# KiCad board panel_3_3.kicad_pcb (continued)
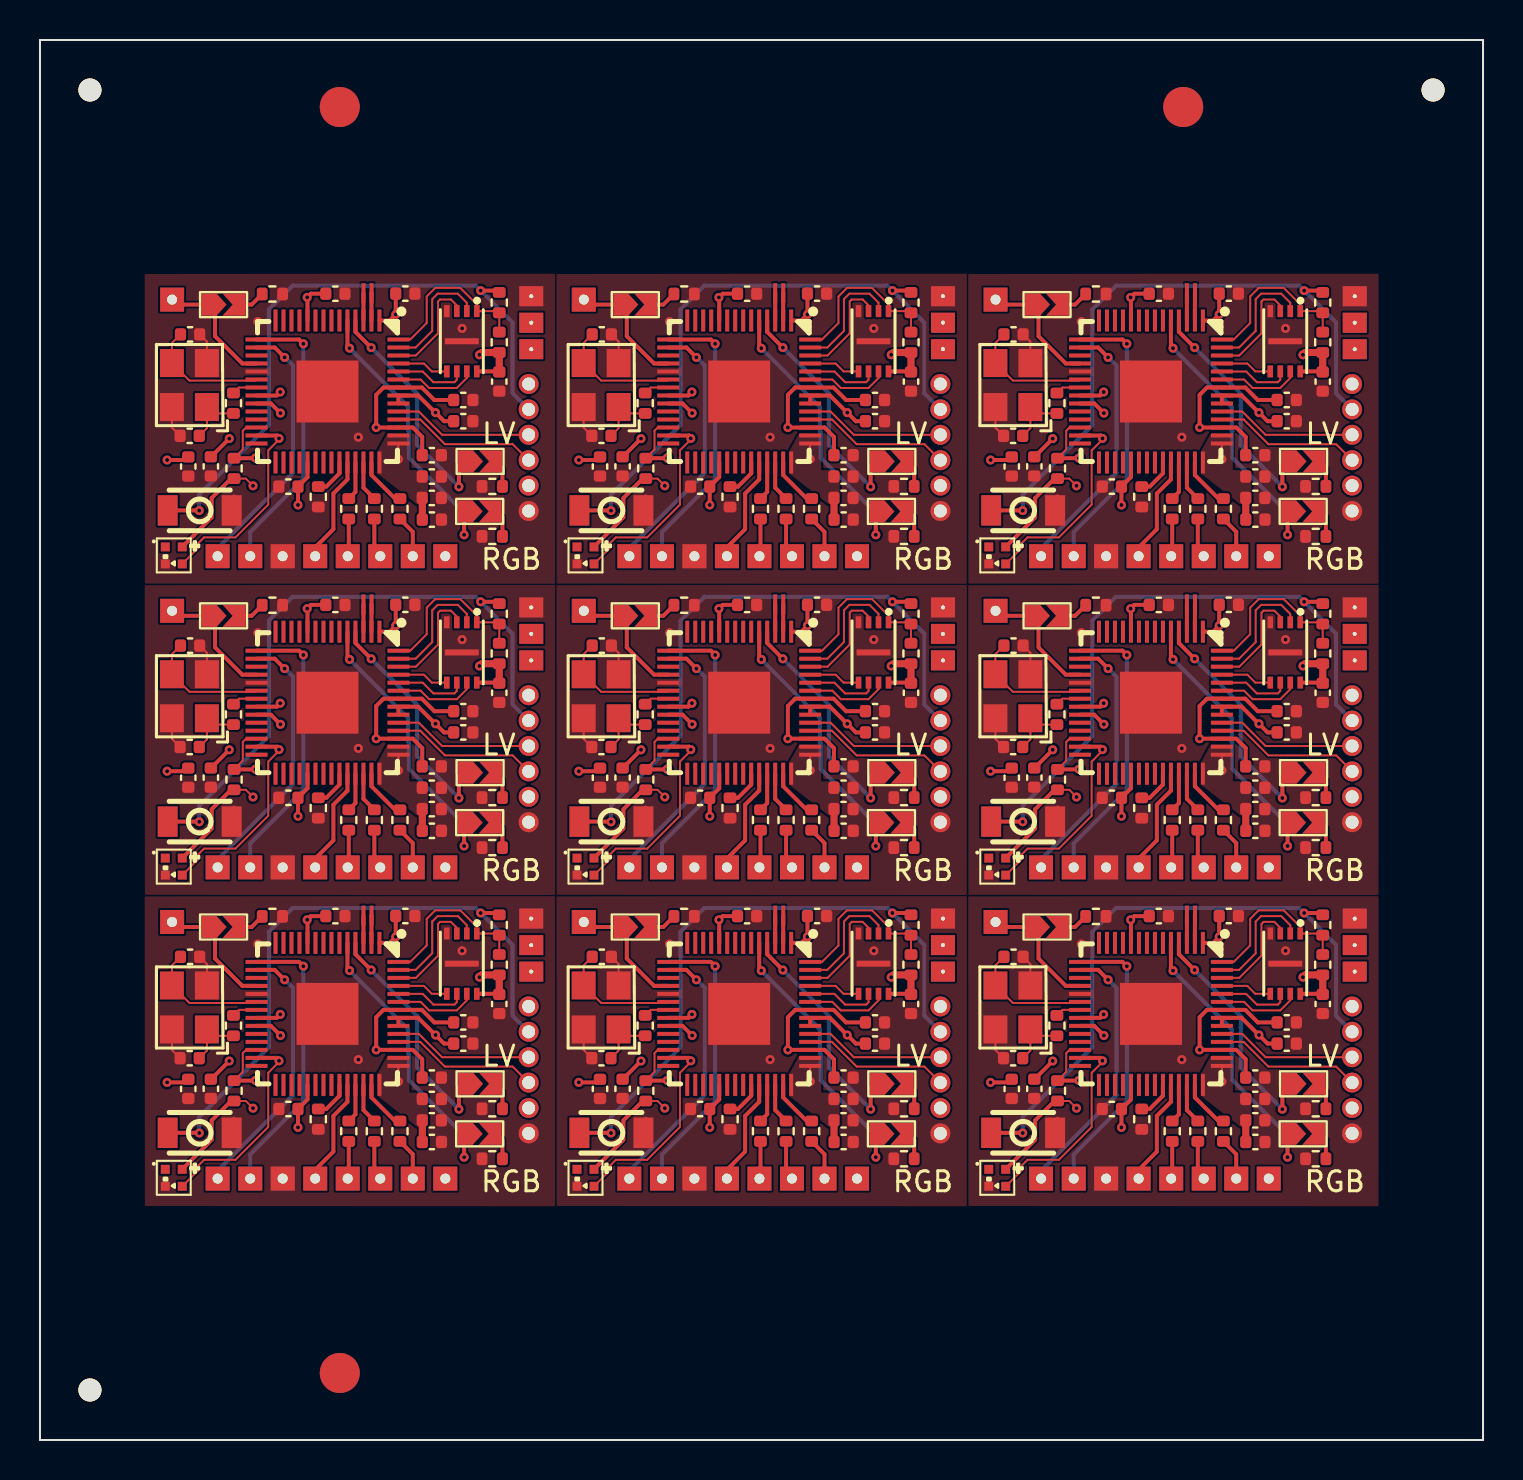
[diagram p0: board, top side]
## Nets (continued)
Board_7-LED_DATA: J13#2.1 U1#4.27 U5.4
Board_7-Net-(JP1-B): JP1.2 R12#2.1
Board_7-Net-(JP2-B): JP2.2 R4#3.1
Board_7-Net-(JP3-B): JP3#6.2 R7#2.1
Board_7-Net-(U1-GPIO27_ADC1): R9#6.1 U1#4.39
Board_7-Net-(U1-GPIO28_ADC2): R10.1 U1#4.40
Board_7-Net-(U1-GPIO29_ADC3): R11#8.1 U1#4.41
Board_7-Net-(X1-OSC1): C1#6.2 R1#7.1 X1.1
Board_7-NS_CLK: J3#3.1 R9#6.2
Board_7-NS_CMD: J4#6.1 R10.2
Board_7-NS_CPU: J1#3.1 JP1.1 U1#4.18
Board_7-NS_D0: J5#2.1 R11#8.2
Board_7-NS_RST: J2#2.1 U1#4.38
Board_7-NS_SCL: J7.1 U1#4.16
Board_7-NS_SDA: J6#4.1 U1#4.15
Board_7-QSPI_CS: R5.2 R6#8.2 U1#4.56 U2#5.1
Board_7-QSPI_SCK: U1#4.52 U2#5.6
Board_7-QSPI_SD0: U1#4.53 U2#5.5
Board_7-QSPI_SD1: U1#4.55 U2#5.2
Board_7-QSPI_SD2: U1#4.54 U2#5.3
Board_7-QSPI_SD3: U1#4.51 U2#5.7
Board_7-RST: J8#6.1 R2#6.2 U1#4.26
Board_7-SW_CPU_LOWV: JP2.1 U1#4.4
Board_7-SW_I2C_LEDS: JP3#6.1 U1#4.5
Board_7-unconnected-(U1-GPIO4-Pad6): U1#4.6
Board_7-unconnected-(U1-GPIO5-Pad7): U1#4.7
Board_7-unconnected-(U1-GPIO6-Pad8): U1#4.8
Board_7-unconnected-(U1-GPIO7-Pad9): U1#4.9
Board_7-unconnected-(U1-GPIO8-Pad11): U1#4.11
Board_7-unconnected-(U1-GPIO9-Pad12): U1#4.12
Board_7-unconnected-(U1-GPIO10-Pad13): U1#4.13
Board_7-unconnected-(U1-GPIO11-Pad14): U1#4.14
Board_7-unconnected-(U1-GPIO14-Pad17): U1#4.17
Board_7-unconnected-(U1-GPIO17-Pad28): U1#4.28
Board_7-unconnected-(U1-GPIO18-Pad29): U1#4.29
Board_7-unconnected-(U1-GPIO19-Pad30): U1#4.30
Board_7-unconnected-(U1-GPIO20-Pad31): U1#4.31
Board_7-unconnected-(U1-GPIO21-Pad32): U1#4.32
Board_7-unconnected-(U1-GPIO22-Pad34): U1#4.34
Board_7-unconnected-(U1-GPIO23-Pad35): U1#4.35
Board_7-unconnected-(U1-GPIO24-Pad36): U1#4.36
Board_7-unconnected-(U5-DOUT-Pad1): U5.1
Board_7-XIN: C3#8.1 U1#4.20 X1.3
Board_7-XOUT: R1#7.2 U1#4.21
Board_8-+1V1: C2#3.1 C4#4.1 C5#6.1 U1#6.23 U1#6.45 U1#6.50
Board_8-+3V3: C6#2.2 C7.1 C8#3.1 C9#4.1 C10.1 C11#7.1 C12#5.1 C13#9.1 C14#5.1 J8#5.5 J10#5.1 J11#5.1 R2#2.1 R6.1 U1#6.1 U1#6.10 U1#6.22 U1#6.33 U1#6.42 U1#6.43 U1#6.44 U1#6.48 U1#6.49 U2#2.8 U5#6.2
Board_8-BOARD_DET: R3#6.1 U1#6.37
Board_8-BOOT: J8#5.2 R5#5.1 SW1#6.1
Board_8-D+: J8#5.3 U1#6.47
Board_8-D-: J8#5.4 U1#6.46
Board_8-DBG_CLK: U1#6.24
Board_8-DBG_DAT: U1#6.25
Board_8-FLY_IO0: J14#5.1 U1#6.2
Board_8-FLY_IO1: J15#5.1 U1#6.3
Board_8-GND: C1#3.1 C2#3.2 C3#9.2 C4#4.2 C5#6.2 C6#2.1 C7.2 C8#3.2 C9#4.2 C10.2 C11#7.2 C12#5.2 C13#9.2 C14#5.2 J8#5.6 J9#4.1 J12#7.1 R3#6.2 R4#4.2 R7#4.2 R12#5.2 SW1#6.2 U1#6.19 U1#6.57 U2#2.4 U2#2.9 U5#6.3 X1#5.2 X1#5.4
Board_8-LED_DATA: J13#9.1 U1#6.27 U5#6.4
Board_8-Net-(JP1-B): JP1#4.2 R12#5.1
Board_8-Net-(JP2-B): JP2#7.2 R4#4.1
Board_8-Net-(JP3-B): JP3#3.2 R7#4.1
Board_8-Net-(U1-GPIO27_ADC1): R9#5.1 U1#6.39
Board_8-Net-(U1-GPIO28_ADC2): R10#9.1 U1#6.40
Board_8-Net-(U1-GPIO29_ADC3): R11#9.1 U1#6.41
Board_8-Net-(X1-OSC1): C1#3.2 R1#3.1 X1#5.1
Board_8-NS_CLK: J3#2.1 R9#5.2
Board_8-NS_CMD: J4#2.1 R10#9.2
Board_8-NS_CPU: J1#4.1 JP1#4.1 U1#6.18
Board_8-NS_D0: J5#7.1 R11#9.2
Board_8-NS_RST: J2.1 U1#6.38
Board_8-NS_SCL: J7#4.1 U1#6.16
Board_8-NS_SDA: J6#6.1 U1#6.15
Board_8-QSPI_CS: R5#5.2 R6.2 U1#6.56 U2#2.1
Board_8-QSPI_SCK: U1#6.52 U2#2.6
Board_8-QSPI_SD0: U1#6.53 U2#2.5
Board_8-QSPI_SD1: U1#6.55 U2#2.2
Board_8-QSPI_SD2: U1#6.54 U2#2.3
Board_8-QSPI_SD3: U1#6.51 U2#2.7
Board_8-RST: J8#5.1 R2#2.2 U1#6.26
Board_8-SW_CPU_LOWV: JP2#7.1 U1#6.4
Board_8-SW_I2C_LEDS: JP3#3.1 U1#6.5
Board_8-unconnected-(U1-GPIO4-Pad6): U1#6.6
Board_8-unconnected-(U1-GPIO5-Pad7): U1#6.7
Board_8-unconnected-(U1-GPIO6-Pad8): U1#6.8
Board_8-unconnected-(U1-GPIO7-Pad9): U1#6.9
Board_8-unconnected-(U1-GPIO8-Pad11): U1#6.11
Board_8-unconnected-(U1-GPIO9-Pad12): U1#6.12
Board_8-unconnected-(U1-GPIO10-Pad13): U1#6.13
Board_8-unconnected-(U1-GPIO11-Pad14): U1#6.14
Board_8-unconnected-(U1-GPIO14-Pad17): U1#6.17
Board_8-unconnected-(U1-GPIO17-Pad28): U1#6.28
Board_8-unconnected-(U1-GPIO18-Pad29): U1#6.29
Board_8-unconnected-(U1-GPIO19-Pad30): U1#6.30
Board_8-unconnected-(U1-GPIO20-Pad31): U1#6.31
Board_8-unconnected-(U1-GPIO21-Pad32): U1#6.32
Board_8-unconnected-(U1-GPIO22-Pad34): U1#6.34
Board_8-unconnected-(U1-GPIO23-Pad35): U1#6.35
Board_8-unconnected-(U1-GPIO24-Pad36): U1#6.36
Board_8-unconnected-(U5-DOUT-Pad1): U5#6.1
Board_8-XIN: C3#9.1 U1#6.20 X1#5.3
Board_8-XOUT: R1#3.2 U1#6.21

## Via types
v1: diameter 0.45, hole 0.2, Top to Bottom, 225 vias

## Routing (per net, layer and track width the routed paths; a pad name or vN(x,y) marks a point on that pad's centre or on a via; arc(x,y) is an arc through that point)
Board_0-+1V1: length 20.2
  Top w0.2: C4#2.1 8.56,49.16 v1(9.47,50.07) ; C5.1 19.12,50.16 18.66,50.62 U1#2.45 v1(16.82,50.62) 16.82,52.26 17.19,52.62 U1#2.50 19.11,52.62 19.73,52 C2#4.1 ; v1(12.03,51.34) 11.55,51.83 U1#2.23
  In1.Cu w0.2: v1(12.03,51.34) 10.74,51.34 v1(9.47,50.07)
  In2.Cu w0.358: v1(12.03,51.34) 12.03,51.34 16.1,51.34 v1(16.82,50.62)
Board_0-+3V3: length 23.3
  Top w0.1: v1(17.94,49.04) U1#2.43 ; R2#8.1 10.3,48.07 v1(10.66,47.71)
  Top w0.2: U1#2.22 11.84,52.23 v1(12.02,52.4) ; 23.03,53.43 U2.8 ; 16.98,55.98 17.5,55.98 v1(17.8,56.28) C11#9.1 ; U1#2.48 U1#2.49 18.92,52.23 19.78,51.37 v1(19.79,51.37) 20.22,50.94 C10#4.1 ; v1(12.91,46.75) C7#7.1 13.38,48.15 U1#2.33 ; 7.12,44.66 7.12,44.66 8.59,46.13 8.59,47.1 9.56,48.07 R2#8.1 ; C12#2.1 13.55,57.31 v1(13.37,57.13) 13.38,57.12 13.38,55.98 ; v1(6.36,49) 7.27,49 7.42,49.16
  Top w0.358: C8#5.1 19.13,47.1 C9#2.1 ; v1(21.99,54.26) 22.1,54.38 R6#3.1 C14#3.1
Board_0-BOARD_DET: length 1.9
  Top w0.2: U1#2.37 14.98,48.33 14.32,47.67 R3#3.1
Board_0-BOOT: length 32.2
  Top w0.2: R5#8.1 22.89,57.47 v1(22.05,57.47) ; SW1#9.1 7.96,46.48 v1(7.97,46.47)
  Bottom w0.2: v1(7.97,46.47) 7.97,47.27 11.45,50.75 11.45,56.53 12.64,57.72 21.8,57.72 v1(22.05,57.47) 23.64,55.88 23.64,52.34 J8#4.2
Board_0-D+: length 7
  Top w0.1: J8#4.3 20.12,50.26 18.95,51.42 U1#2.47
Board_0-D-: length 7.4
  Top w0.1: J8#4.4 23.65,49.79 20.26,49.79 19.03,51.02 U1#2.46
Board_0-FLY_IO0: length 1.4
  Top w0.2: 16.59,55.98 16.59,57.34 J14.1
Board_0-FLY_IO1: length 1.4
  Top w0.2: 16.19,55.98 J15#3.1
Board_0-GND: length 3.2
  Top w0.1: C1#5.1 6.6,50.62 X1#7.4 ; C3#2.2 8.35,54.92 X1#7.2
  Top w0.2: 9.71,47.18 9.7,47.17
  vias: v1(10.9,55.92) v1(15.93,50.14) v1(21.12,55.58)
Board_0-LED_DATA: length 25.5
  Top w0.1: v1(11.96,50.08) 11.97,50.07 11.97,50.03 11.42,49.48 11.42,46.77 9.78,45.13 8.21,45.13 7.93,44.85 7.93,44.62 U5#8.4
  Top w0.2: v1(11.96,50.08) 11.97,50.09 11.97,50.13 11.88,50.23 U1#2.27
  In1.Cu w0.2: J13#6.1 23.97,55.87 23.06,54.96 17.82,54.96 16.82,53.95 15.84,53.95 v1(11.96,50.08)
Board_0-Net-(JP1-B): length 1.6
  Top w0.2: R12#4.1 10.59,56.77 JP1#2.2
Board_0-Net-(JP2-B): length 1.5
  Top w0.2: JP2#6.2 22.75,48.93 23.14,48.54 R4#2.1
Board_0-Net-(JP3-B): length 1.6
  Top w0.2: R7#7.1 23.14,46.13 22.84,46.43 JP3#8.2
Board_0-Net-(U1-GPIO27_ADC1): length 1.9
  Top w0.2: R9.1 15.78,47.41 U1#2.39
Board_0-Net-(U1-GPIO28_ADC2): length 2
  Top w0.2: U1#2.40 16.19,47.62 R10#5.1
Board_0-Net-(U1-GPIO29_ADC3): length 2.5
  Top w0.2: R11#3.1 17.76,47.07 16.59,48.25 16.59,48.88
Board_0-Net-(X1-OSC1): length 3.1
  Top w0.1: R1#6.1 8.67,51.33 X1#7.1 8.35,50.59 C1#5.2
Board_0-NS_CLK: length 1.9
  Top w0.2: J3#5.1 15.45,44.24 R9.2
Board_0-NS_CMD: length 2
  Top w0.2: J4#3.1 16.73,44.48 R10#5.2
Board_0-NS_CPU: length 6.5
  Top w0.2: J1#9.1 6.86,56.77 JP1#2.1 8.76,56.77 8.76,55.19 10.12,53.83 U1#2.18
Board_0-NS_D0: length 2.1
  Top w0.2: R11#3.2 18.65,45.41 J5.1
Board_0-NS_RST: length 5.4
  Top w0.2: J2#3.1 13.77,44.63 14.68,45.54 14.68,47.33 15.38,48.03 U1#2.38
Board_0-NS_SCL: length 13.3
  Top w0.2: v1(12.24,54.13) 11.74,54.62 U1#2.16
  Bottom w0.2: v1(12.24,54.13) 12.26,54.13 12.66,53.73 12.66,48.36 8.89,44.59 J7#8.1
Board_0-NS_SDA: length 14.2
  Top w0.2: v1(13.18,54.81) 12.96,55.02 U1#2.15
  Bottom w0.2: J6#7.1 10.52,45.39 13.18,48.05 v1(13.18,54.81)
Board_0-QSPI_CS: length 8.6
  Top w0.1: 22.98,55.4 R5#8.2 22.9,56.44 U2.1 21.85,56.78 21.03,57.6 19.78,57.6 19.35,57.18 19.35,55.85 18.53,55.02 U1#2.56
Board_0-QSPI_SCK: length 3.6
  Top w0.1: U2.6 20.85,53.01 20.73,52.89 19.68,52.89 19.15,53.42 U1#2.52
Board_0-QSPI_SD0: length 2.6
  Top w0.1: U2.5 19.6,53.43 19.21,53.83 U1#2.53
Board_0-QSPI_SD1: length 6.1
  Top w0.1: U2.2 21.35,56.86 20.9,57.31 19.9,57.31 19.62,57.04 19.62,55.46 18.79,54.62 U1#2.55
Board_0-QSPI_SD2: length 5.4
  Top w0.1: U1#2.54 18.81,54.23 19.91,55.34 19.91,56.92 20.02,57.02 20.56,57.02 20.85,56.73 U2.3
Board_0-QSPI_SD3: length 4.1
  Top w0.1: U2.7 21.35,53.1 20.86,52.6 19.47,52.6 19.04,53.02 U1#2.51
Board_0-RST: length 18.6
  Top w0.1: U1#2.26 10.31,50.62 10.15,50.46 10.15,49.53 R2#8.2
  Top w0.2: v1(10.78,49.1) 10.77,49.09 R2#8.2
  In1.Cu w0.2: v1(10.78,49.1) 17.02,49.1 17.88,49.96 21.69,49.96 24.45,52.72 J8#4.1
Board_0-SW_CPU_LOWV: length 11.8
  Top w0.2: JP2#6.1 20.96,48.72 v1(20.96,47.66) ; 15.78,55.98 15.78,55.41 v1(16.57,54.62)
  Bottom w0.2: v1(16.57,54.62) 18.87,52.32 18.87,49.75 v1(20.96,47.66)
Board_0-SW_I2C_LEDS: length 14.3
  Top w0.2: 15.38,55.98 15.38,54.7 v1(15.49,54.59) ; v1(21.22,45.26) 21.22,46.36 JP3#8.1
  Bottom w0.2: v1(15.49,54.59) 18.42,51.66 18.42,50.46 18.46,50.42 18.46,49.11 21.22,46.35 v1(21.22,45.26)
Board_0-XIN: length 6.2
  Top w0.1: C3#2.1 6.6,54.85 X1#7.3 7.48,52.97 10.78,52.97 U1#2.20
Board_0-XOUT: length 1.3
  Top w0.1: R1#6.2 9.95,52.62 U1#2.21
Board_1-+1V1: length 20.2
  Top w0.2: C5#5.1 39.72,50.16 39.25,50.62 U1#5.45 v1(37.42,50.62) 37.42,52.26 37.78,52.62 U1#5.50 39.71,52.62 40.33,52 C2#5.1 ; 31.44,51.83 32.15,51.83 v1(32.63,51.34) ; v1(30.07,50.07) 29.16,49.16 C4#7.1
  In1.Cu w0.2: v1(32.63,51.34) 31.34,51.34 v1(30.07,50.07)
  In2.Cu w0.358: v1(32.63,51.34) 32.63,51.34 36.7,51.34 v1(37.42,50.62)
Board_1-+3V3: length 23.3
  Top w0.1: R2.1 30.9,48.07 v1(31.26,47.71) ; v1(38.53,49.04) U1#5.43
  Top w0.2: 28.02,49.16 27.86,49 v1(26.96,49) ; U1#5.33 33.98,48.15 C7#3.1 v1(33.51,46.75) ; 31.44,52.23 32.44,52.23 v1(32.62,52.4) ; 33.98,55.98 33.98,57.12 v1(33.97,57.13) 34.16,57.31 C12.1 ; 27.72,44.66 27.72,44.66 29.19,46.13 29.19,47.1 30.16,48.07 R2.1 ; 43.63,53.43 U2#6.8 ; U1#5.48 U1#5.49 39.53,52.23 40.38,51.37 v1(40.39,51.37) 40.82,50.94 C10#3.1 ; C11.1 v1(38.4,56.28) 38.09,55.98 37.59,55.98
  Top w0.358: C9#9.1 39.73,47.1 C8#2.1 ; v1(42.59,54.26) 42.7,54.38 R6#7.1 C14#8.1
Board_1-BOARD_DET: length 1.9
  Top w0.2: U1#5.37 35.59,48.33 34.92,47.67 R3#4.1
Board_1-BOOT: length 32.2
  Top w0.2: v1(42.65,57.47) 43.49,57.47 R5#3.1 ; SW1#5.1 28.56,46.48 v1(28.57,46.47)
  Bottom w0.2: v1(28.57,46.47) 28.57,47.27 32.05,50.75 32.05,56.53 33.24,57.72 42.4,57.72 v1(42.65,57.47) 44.24,55.88 44.24,52.34 J8#9.2
Board_1-D+: length 7
  Top w0.1: U1#5.47 39.56,51.42 40.72,50.26 J8#9.3
Board_1-D-: length 7.4
  Top w0.1: U1#5.46 39.62,51.02 40.86,49.79 44.25,49.79 J8#9.4
Board_1-FLY_IO0: length 1.4
  Top w0.2: 37.19,55.98 37.19,57.34 J14#3.1
Board_1-FLY_IO1: length 1.4
  Top w0.2: 36.78,55.98 J15#8.1
Board_1-GND: length 3.2
  Top w0.1: C3#7.2 28.95,54.92 X1#6.2 ; X1#6.4 27.2,50.62 C1#9.1
  Top w0.2: 30.31,47.18 30.31,47.17
  vias: v1(31.5,55.92) v1(36.53,50.14) v1(41.72,55.58)
Board_1-LED_DATA: length 25.5
  Top w0.1: v1(32.56,50.08) 32.57,50.07 32.57,50.03 32.02,49.48 32.02,46.77 30.38,45.13 28.81,45.13 28.53,44.85 28.53,44.62 U5#3.4
  Top w0.2: v1(32.56,50.08) 32.57,50.09 32.57,50.13 32.47,50.23 31.44,50.23
  In1.Cu w0.2: v1(32.56,50.08) 36.44,53.95 37.42,53.95 38.42,54.96 43.66,54.96 44.56,55.87 J13#7.1
Board_1-Net-(JP1-B): length 1.6
  Top w0.2: R12.1 31.19,56.77 JP1#8.2
Board_1-Net-(JP2-B): length 1.5
  Top w0.2: R4#8.1 43.74,48.54 43.35,48.93 JP2#3.2
Board_1-Net-(JP3-B): length 1.6
  Top w0.2: R7.1 43.74,46.13 43.44,46.43 JP3#2.2
Board_1-Net-(U1-GPIO27_ADC1): length 1.9
  Top w0.2: U1#5.39 36.38,47.41 R9#9.1
Board_1-Net-(U1-GPIO28_ADC2): length 2
  Top w0.2: U1#5.40 36.78,47.62 R10#3.1
Board_1-Net-(U1-GPIO29_ADC3): length 2.5
  Top w0.2: R11#2.1 38.36,47.07 37.19,48.25 U1#5.41
Board_1-Net-(X1-OSC1): length 3.1
  Top w0.1: R1#5.1 29.27,51.33 X1#6.1 28.95,50.59 C1#9.2
Board_1-NS_CLK: length 1.9
  Top w0.2: J3#9.1 36.05,44.24 R9#9.2
Board_1-NS_CMD: length 2
  Top w0.2: R10#3.2 37.33,44.48 J4#9.1
Board_1-NS_CPU: length 6.5
  Top w0.2: J1#5.1 27.46,56.77 JP1#8.1 29.36,56.77 29.36,55.19 30.72,53.83 31.44,53.83
Board_1-NS_D0: length 2.1
  Top w0.2: R11#2.2 39.25,45.41 J5#6.1
Board_1-NS_RST: length 5.4
  Top w0.2: U1#5.38 35.98,48.03 35.28,47.33 35.28,45.54 34.37,44.63 J2#7.1
Board_1-NS_SCL: length 13.3
  Top w0.2: v1(32.84,54.13) 32.34,54.62 31.44,54.62
  Bottom w0.2: J7#6.1 29.49,44.59 33.26,48.36 33.26,53.73 32.86,54.13 v1(32.84,54.13)
Board_1-NS_SDA: length 14.2
  Top w0.2: 31.44,55.02 33.56,55.02 v1(33.78,54.81)
  Bottom w0.2: v1(33.78,54.81) 33.78,48.05 31.12,45.39 J6.1
Board_1-QSPI_CS: length 8.6
  Top w0.1: 43.58,55.4 R5#3.2 43.5,56.44 U2#6.1 42.45,56.78 41.63,57.6 40.38,57.6 39.95,57.18 39.95,55.85 39.12,55.02 U1#5.56
Board_1-QSPI_SCK: length 3.6
  Top w0.1: U1#5.52 39.75,53.42 40.28,52.89 41.34,52.89 41.45,53.01 U2#6.6
Board_1-QSPI_SD0: length 2.6
  Top w0.1: U2#6.5 40.2,53.43 39.81,53.83 U1#5.53
Board_1-QSPI_SD1: length 6.1
  Top w0.1: U2#6.2 41.95,56.86 41.5,57.31 40.5,57.31 40.22,57.04 40.22,55.46 39.39,54.62 U1#5.55
Board_1-QSPI_SD2: length 5.4
  Top w0.1: U2#6.3 41.45,56.73 41.16,57.02 40.62,57.02 40.51,56.92 40.51,55.34 39.41,54.23 U1#5.54
Board_1-QSPI_SD3: length 4.1
  Top w0.1: U2#6.7 41.95,53.1 41.46,52.6 40.07,52.6 39.64,53.02 U1#5.51
Board_1-RST: length 18.6
  Top w0.1: R2.2 30.75,49.53 30.75,50.46 30.91,50.62 31.44,50.62
  Top w0.2: v1(31.38,49.1) 31.37,49.09 R2.2
  In1.Cu w0.2: v1(31.38,49.1) 37.62,49.1 38.48,49.96 42.29,49.96 45.05,52.72 J8#9.1
Board_1-SW_CPU_LOWV: length 11.8
  Top w0.2: 36.38,55.98 36.38,55.41 v1(37.17,54.62) ; JP2#3.1 41.56,48.72 v1(41.56,47.66)
  Bottom w0.2: v1(41.56,47.66) 39.47,49.75 39.47,52.32 v1(37.17,54.62)
Board_1-SW_I2C_LEDS: length 14.3
  Top w0.2: v1(41.82,45.26) 41.82,46.36 JP3#2.1 ; 35.98,55.98 35.98,54.7 v1(36.09,54.59)
  Bottom w0.2: v1(41.82,45.26) 41.82,46.35 39.06,49.11 39.06,50.42 39.02,50.46 39.02,51.66 v1(36.09,54.59)
Board_1-XIN: length 6.2
  Top w0.1: C3#7.1 27.2,54.85 X1#6.3 28.08,52.97 31.38,52.97 31.44,53.02
Board_1-XOUT: length 1.3
  Top w0.1: 31.44,52.62 30.56,52.62 R1#5.2
Board_2-+1V1: length 20.2
  Top w0.2: v1(50.67,50.07) 49.76,49.16 C4#5.1 ; U1#7.23 52.75,51.83 v1(53.23,51.34) ; 60.32,49.24 60.32,50.16 59.85,50.62 U1#7.45 v1(58.02,50.62) 58.02,52.26 58.38,52.62 U1#7.50 60.31,52.62 60.93,52 C2.1
  In1.Cu w0.2: v1(50.67,50.07) 51.94,51.34 v1(53.23,51.34)
  In2.Cu w0.358: v1(58.02,50.62) 57.31,51.34 53.23,51.34 v1(53.23,51.34)
Board_2-+3V3: length 23.3
  Top w0.1: v1(51.86,47.71) 51.5,48.07 R2#5.1 ; v1(59.13,49.04) U1#7.43
  Top w0.2: v1(53.22,52.4) 53.04,52.23 U1#7.22 ; v1(54.11,46.75) C7#8.1 54.59,48.15 U1#7.33 ; U1#7.48 U1#7.49 60.12,52.23 60.98,51.37 v1(60.99,51.37) 61.42,50.94 C10#8.1 ; 64.23,53.43 U2#4.8 ; 48.62,49.16 48.47,49 v1(47.56,49) ; 54.59,55.98 54.59,57.12 v1(54.57,57.13) 54.75,57.31 C12#7.1 ; 48.32,44.66 48.32,44.66 49.79,46.13 49.79,47.1 50.76,48.07 R2#5.1 ; C11#3.1 v1(59,56.28) 58.69,55.98 58.19,55.98
  Top w0.358: v1(63.19,54.26) 63.31,54.38 R6#9.1 C14#4.1 ; 60.32,47.1 60.33,47.1 C8#4.1
Board_2-BOARD_DET: length 1.9
  Top w0.2: U1#7.37 56.19,48.33 55.53,47.67 R3#9.1
Board_2-BOOT: length 32.2
  Top w0.2: v1(49.17,46.47) 49.16,46.48 SW1#7.1 ; R5#7.1 64.09,57.47 v1(63.25,57.47)
  Bottom w0.2: v1(49.17,46.47) 49.17,47.27 52.65,50.75 52.65,56.53 53.84,57.72 63,57.72 v1(63.25,57.47) 64.84,55.88 64.84,52.34 J8#2.2
Board_2-D+: length 7
  Top w0.1: J8#2.3 61.32,50.26 60.16,51.42 U1#7.47
Board_2-D-: length 7.4
  Top w0.1: U1#7.46 60.22,51.02 61.46,49.79 64.85,49.79 J8#2.4
Board_2-FLY_IO0: length 1.4
  Top w0.2: 57.78,55.98 57.78,57.34 J14#2.1
Board_2-FLY_IO1: length 1.4
  Top w0.2: 57.38,55.98 J15#7.1
Board_2-GND: length 3.2
  Top w0.1: C1#4.1 47.8,50.62 X1#9.4 ; C3#5.2 49.55,54.92 X1#9.2
  Top w0.2: 50.91,47.18 50.91,47.17
  vias: v1(52.1,55.92) v1(57.13,50.14) v1(62.32,55.58)
Board_2-LED_DATA: length 25.5
  Top w0.1: v1(53.16,50.08) 53.17,50.07 53.17,50.03 52.62,49.48 52.62,46.77 50.98,45.13 49.41,45.13 49.13,44.85 49.13,44.62 U5#4.4
  Top w0.2: v1(53.16,50.08) 53.17,50.09 53.17,50.13 53.07,50.23 U1#7.27
  In1.Cu w0.2: v1(53.16,50.08) 57.03,53.95 58.02,53.95 59.03,54.96 64.26,54.96 65.16,55.87 J13#4.1
Board_2-Net-(JP1-B): length 1.6
  Top w0.2: JP1#5.2 51.79,56.77 R12#3.1
Board_2-Net-(JP2-B): length 1.5
  Top w0.2: R4#9.1 64.34,48.54 63.95,48.93 JP2#4.2
Board_2-Net-(JP3-B): length 1.6
  Top w0.2: JP3#7.2 64.04,46.43 64.34,46.13 R7#3.1
Board_2-Net-(U1-GPIO27_ADC1): length 1.9
  Top w0.2: 56.98,48.88 56.98,47.41 R9#3.1
Board_2-Net-(U1-GPIO28_ADC2): length 2
  Top w0.2: 57.38,48.88 57.38,47.62 R10#2.1
Board_2-Net-(U1-GPIO29_ADC3): length 2.5
  Top w0.2: R11#6.1 58.96,47.07 57.78,48.25 U1#7.41
Board_2-Net-(X1-OSC1): length 3.1
  Top w0.1: C1#4.2 49.55,50.59 X1#9.1 49.87,51.33 R1.1
Board_2-NS_CLK: length 1.9
  Top w0.2: J3#8.1 56.65,44.24 R9#3.2
Board_2-NS_CMD: length 2
  Top w0.2: R10#2.2 57.93,44.48 J4#4.1
Board_2-NS_CPU: length 6.5
  Top w0.2: J1.1 48.06,56.77 JP1#5.1 49.96,56.77 49.96,55.19 51.32,53.83 U1#7.18
Board_2-NS_D0: length 2.1
  Top w0.2: R11#6.2 59.85,45.41 J5#4.1
Board_2-NS_RST: length 5.4
  Top w0.2: U1#7.38 56.59,48.03 55.88,47.33 55.88,45.54 54.97,44.63 J2#4.1
Board_2-NS_SCL: length 13.3
  Top w0.2: v1(53.44,54.13) 52.94,54.62 U1#7.16
  Bottom w0.2: v1(53.44,54.13) 53.46,54.13 53.86,53.73 53.86,48.36 50.09,44.59 J7#7.1
Board_2-NS_SDA: length 14.2
  Top w0.2: U1#7.15 54.16,55.02 v1(54.38,54.81)
  Bottom w0.2: J6#5.1 51.72,45.39 54.38,48.05 v1(54.38,54.81)
Board_2-QSPI_CS: length 8.6
  Top w0.1: 64.18,55.4 R5#7.2 64.1,56.44 U2#4.1 63.06,56.78 62.23,57.6 60.97,57.6 60.55,57.18 60.55,55.85 59.72,55.02 U1#7.56
Board_2-QSPI_SCK: length 3.6
  Top w0.1: U1#7.52 60.35,53.42 60.88,52.89 61.94,52.89 62.06,53.01 U2#4.6
Board_2-QSPI_SD0: length 2.6
  Top w0.1: U1#7.53 60.41,53.83 60.8,53.43 U2#4.5
Board_2-QSPI_SD1: length 6.1
  Top w0.1: U1#7.55 59.99,54.62 60.82,55.46 60.82,57.04 61.1,57.31 62.1,57.31 62.56,56.86 U2#4.2
Board_2-QSPI_SD2: length 5.4
  Top w0.1: U2#4.3 62.06,56.73 61.76,57.02 61.22,57.02 61.11,56.92 61.11,55.34 60,54.23 U1#7.54
Board_2-QSPI_SD3: length 4.1
  Top w0.1: U1#7.51 60.25,53.02 60.67,52.6 62.06,52.6 62.56,53.1 U2#4.7
Board_2-RST: length 18.6
  Top w0.1: R2#5.2 51.35,49.53 51.35,50.46 51.51,50.62 U1#7.26
  Top w0.2: v1(51.98,49.1) 51.97,49.09 R2#5.2
  In1.Cu w0.2: v1(51.98,49.1) 58.22,49.1 59.08,49.96 62.89,49.96 65.65,52.72 J8#2.1
Board_2-SW_CPU_LOWV: length 11.8
  Top w0.2: v1(57.77,54.62) 56.98,55.41 56.98,55.98 ; v1(62.16,47.66) 62.16,48.72 JP2#4.1
  Bottom w0.2: v1(57.77,54.62) 60.07,52.32 60.07,49.75 v1(62.16,47.66)
Board_2-SW_I2C_LEDS: length 14.3
  Top w0.2: v1(56.69,54.59) 56.59,54.7 56.59,55.98 ; v1(62.42,45.26) 62.42,46.36 JP3#7.1
  Bottom w0.2: v1(62.42,45.26) 62.42,46.35 59.66,49.11 59.66,50.42 59.62,50.46 59.62,51.66 v1(56.69,54.59)
Board_2-XIN: length 6.2
  Top w0.1: C3#5.1 47.8,54.85 X1#9.3 48.68,52.97 51.98,52.97 U1#7.20
Board_2-XOUT: length 1.3
  Top w0.1: R1.2 51.16,52.62 U1#7.21
Board_3-+1V1: length 20.2
  Top w0.2: v1(9.47,34.51) 8.56,33.6 C4#3.1 ; v1(12.03,35.78) 11.55,36.27 U1#8.23 ; C2#6.1 19.73,36.44 19.11,37.06 17.19,37.06 16.82,36.7 v1(16.82,35.06) 18.66,35.06 19.12,34.59 C5#2.1
  In1.Cu w0.2: v1(9.47,34.51) 10.74,35.78 v1(12.03,35.78)
  In2.Cu w0.358: v1(16.82,35.06) 16.1,35.78 12.03,35.78 v1(12.03,35.78)
Board_3-+3V3: length 23.3
  Top w0.1: R2#3.1 10.3,32.51 v1(10.66,32.15) ; v1(17.94,33.48) U1#8.43
  Top w0.2: U1#8.10 13.38,41.55 v1(13.37,41.57) 13.55,41.76 C12#8.1 ; R2#3.1 9.56,32.51 8.59,31.54 8.59,30.57 7.12,29.1 U5#5.2 ; C11#2.1 v1(17.8,40.72) 17.5,40.41 U1#8.1 ; C10#2.1 20.22,35.38 v1(19.79,35.81) 19.78,35.81 18.92,36.66 U1#8.49 U1#8.48 ; v1(12.02,36.84) 11.84,36.66 U1#8.22 ; U1#8.33 13.38,32.59 C7#2.1 v1(12.91,31.19) ; C13#4.1 7.27,33.44 v1(6.36,33.44) ; 23.03,37.87 U2#9.8
  Top w0.358: v1(21.99,38.7) 22.1,38.81 R6#6.1 C14#7.1 ; C9#8.1 19.13,31.54 C8#8.1
Board_3-BOARD_DET: length 1.9
  Top w0.2: R3#8.1 14.32,32.11 14.98,32.77 U1#8.37
Board_3-BOOT: length 32.2
  Top w0.2: v1(7.97,30.91) 7.96,30.92 SW1#4.1 ; v1(22.05,41.91) 22.89,41.91 R5#4.1
  Bottom w0.2: J8#7.2 23.64,36.78 23.64,40.32 v1(22.05,41.91) 21.8,42.16 12.64,42.16 11.45,40.97 11.45,35.19 7.97,31.71 v1(7.97,30.91)
Board_3-D+: length 7
  Top w0.1: U1#8.47 18.95,35.87 20.12,34.7 J8#7.3
Board_3-D-: length 7.4
  Top w0.1: J8#7.4 23.65,34.23 20.26,34.23 19.03,35.47 U1#8.46
Board_3-FLY_IO0: length 1.4
  Top w0.2: 16.59,40.41 16.59,41.77 J14#9.1
Board_3-FLY_IO1: length 1.4
  Top w0.2: U1#8.3 J15#2.1
Board_3-GND: length 3.2
  Top w0.1: X1#8.2 8.35,39.36 C3.2 ; 6.6,36.09 6.6,35.06 C1#7.1
  Top w0.2: 9.71,31.62 9.7,31.62
  vias: v1(10.9,40.36) v1(15.93,34.58) v1(21.12,40.02)
Board_3-LED_DATA: length 25.5
  Top w0.1: v1(11.96,34.52) 11.97,34.51 11.97,34.47 11.42,33.92 11.42,31.21 9.78,29.57 8.21,29.57 7.93,29.29 7.93,29.05 7.12,28.24
  Top w0.2: U1#8.27 11.88,34.66 11.97,34.57 11.97,34.53 v1(11.96,34.52)
  In1.Cu w0.2: J13#8.1 23.97,40.3 23.06,39.4 17.82,39.4 16.82,38.4 15.84,38.4 v1(11.96,34.52)
Board_3-Net-(JP1-B): length 1.6
  Top w0.2: R12#7.1 10.59,41.21 JP1#6.2
Board_3-Net-(JP2-B): length 1.5
  Top w0.2: JP2#8.2 22.75,33.37 23.14,32.98 R4.1
Board_3-Net-(JP3-B): length 1.6
  Top w0.2: R7#5.1 23.14,30.57 22.84,30.87 JP3#5.2
Board_3-Net-(U1-GPIO27_ADC1): length 1.9
  Top w0.2: R9#4.1 15.78,31.84 U1#8.39
Board_3-Net-(U1-GPIO28_ADC2): length 2
  Top w0.2: R10#7.1 16.19,32.05 U1#8.40
Board_3-Net-(U1-GPIO29_ADC3): length 2.5
  Top w0.2: R11#7.1 17.76,31.51 16.59,32.69 16.59,33.31
Board_3-Net-(X1-OSC1): length 3.1
  Top w0.1: R1#2.1 8.67,35.77 8.35,36.09 8.35,35.03 C1#7.2
Board_3-NS_CLK: length 1.9
  Top w0.2: R9#4.2 15.45,28.68 J3#7.1
Board_3-NS_CMD: length 2
  Top w0.2: J4#5.1 16.73,28.92 R10#7.2
Board_3-NS_CPU: length 6.5
  Top w0.2: U1#8.18 10.12,38.27 8.76,39.63 8.76,41.21 JP1#6.1 6.86,41.21 J1#6.1
Board_3-NS_D0: length 2.1
  Top w0.2: J5#3.1 18.65,29.85 R11#7.2
Board_3-NS_RST: length 5.4
  Top w0.2: U1#8.38 15.38,32.47 14.68,31.77 14.68,29.98 13.77,29.07 J2#5.1
Board_3-NS_SCL: length 13.3
  Top w0.2: v1(12.24,38.57) 11.74,39.06 10.83,39.06
  Bottom w0.2: J7#3.1 8.89,29.03 12.66,32.8 12.66,38.17 12.26,38.57 v1(12.24,38.57)
Board_3-NS_SDA: length 14.2
  Top w0.2: v1(13.18,39.25) 12.96,39.47 U1#8.15
  Bottom w0.2: J6#3.1 10.52,29.83 13.18,32.49 v1(13.18,39.25)
Board_3-QSPI_CS: length 8.6
  Top w0.1: U1#8.56 18.53,39.47 19.35,40.29 19.35,41.62 19.78,42.05 21.03,42.05 21.85,41.22 U2#9.1 22.9,40.88 R5#4.2 R6#6.2
Board_3-QSPI_SCK: length 3.6
  Top w0.1: U2#9.6 20.85,37.45 20.73,37.33 19.68,37.33 19.15,37.87 U1#8.52
Board_3-QSPI_SD0: length 2.6
  Top w0.1: U1#8.53 19.21,38.27 19.6,37.87 U2#9.5
Board_3-QSPI_SD1: length 6.1
  Top w0.1: 17.94,39.06 18.79,39.06 19.62,39.9 19.62,41.48 19.9,41.76 20.9,41.76 21.35,41.3 U2#9.2
Board_3-QSPI_SD2: length 5.4
  Top w0.1: U2#9.3 20.85,41.17 20.56,41.47 20.02,41.47 19.91,41.36 19.91,39.77 18.81,38.66 U1#8.54